# Altium PCB pcb-ash-power.PcbDoc (part 1 of 6) (continued)
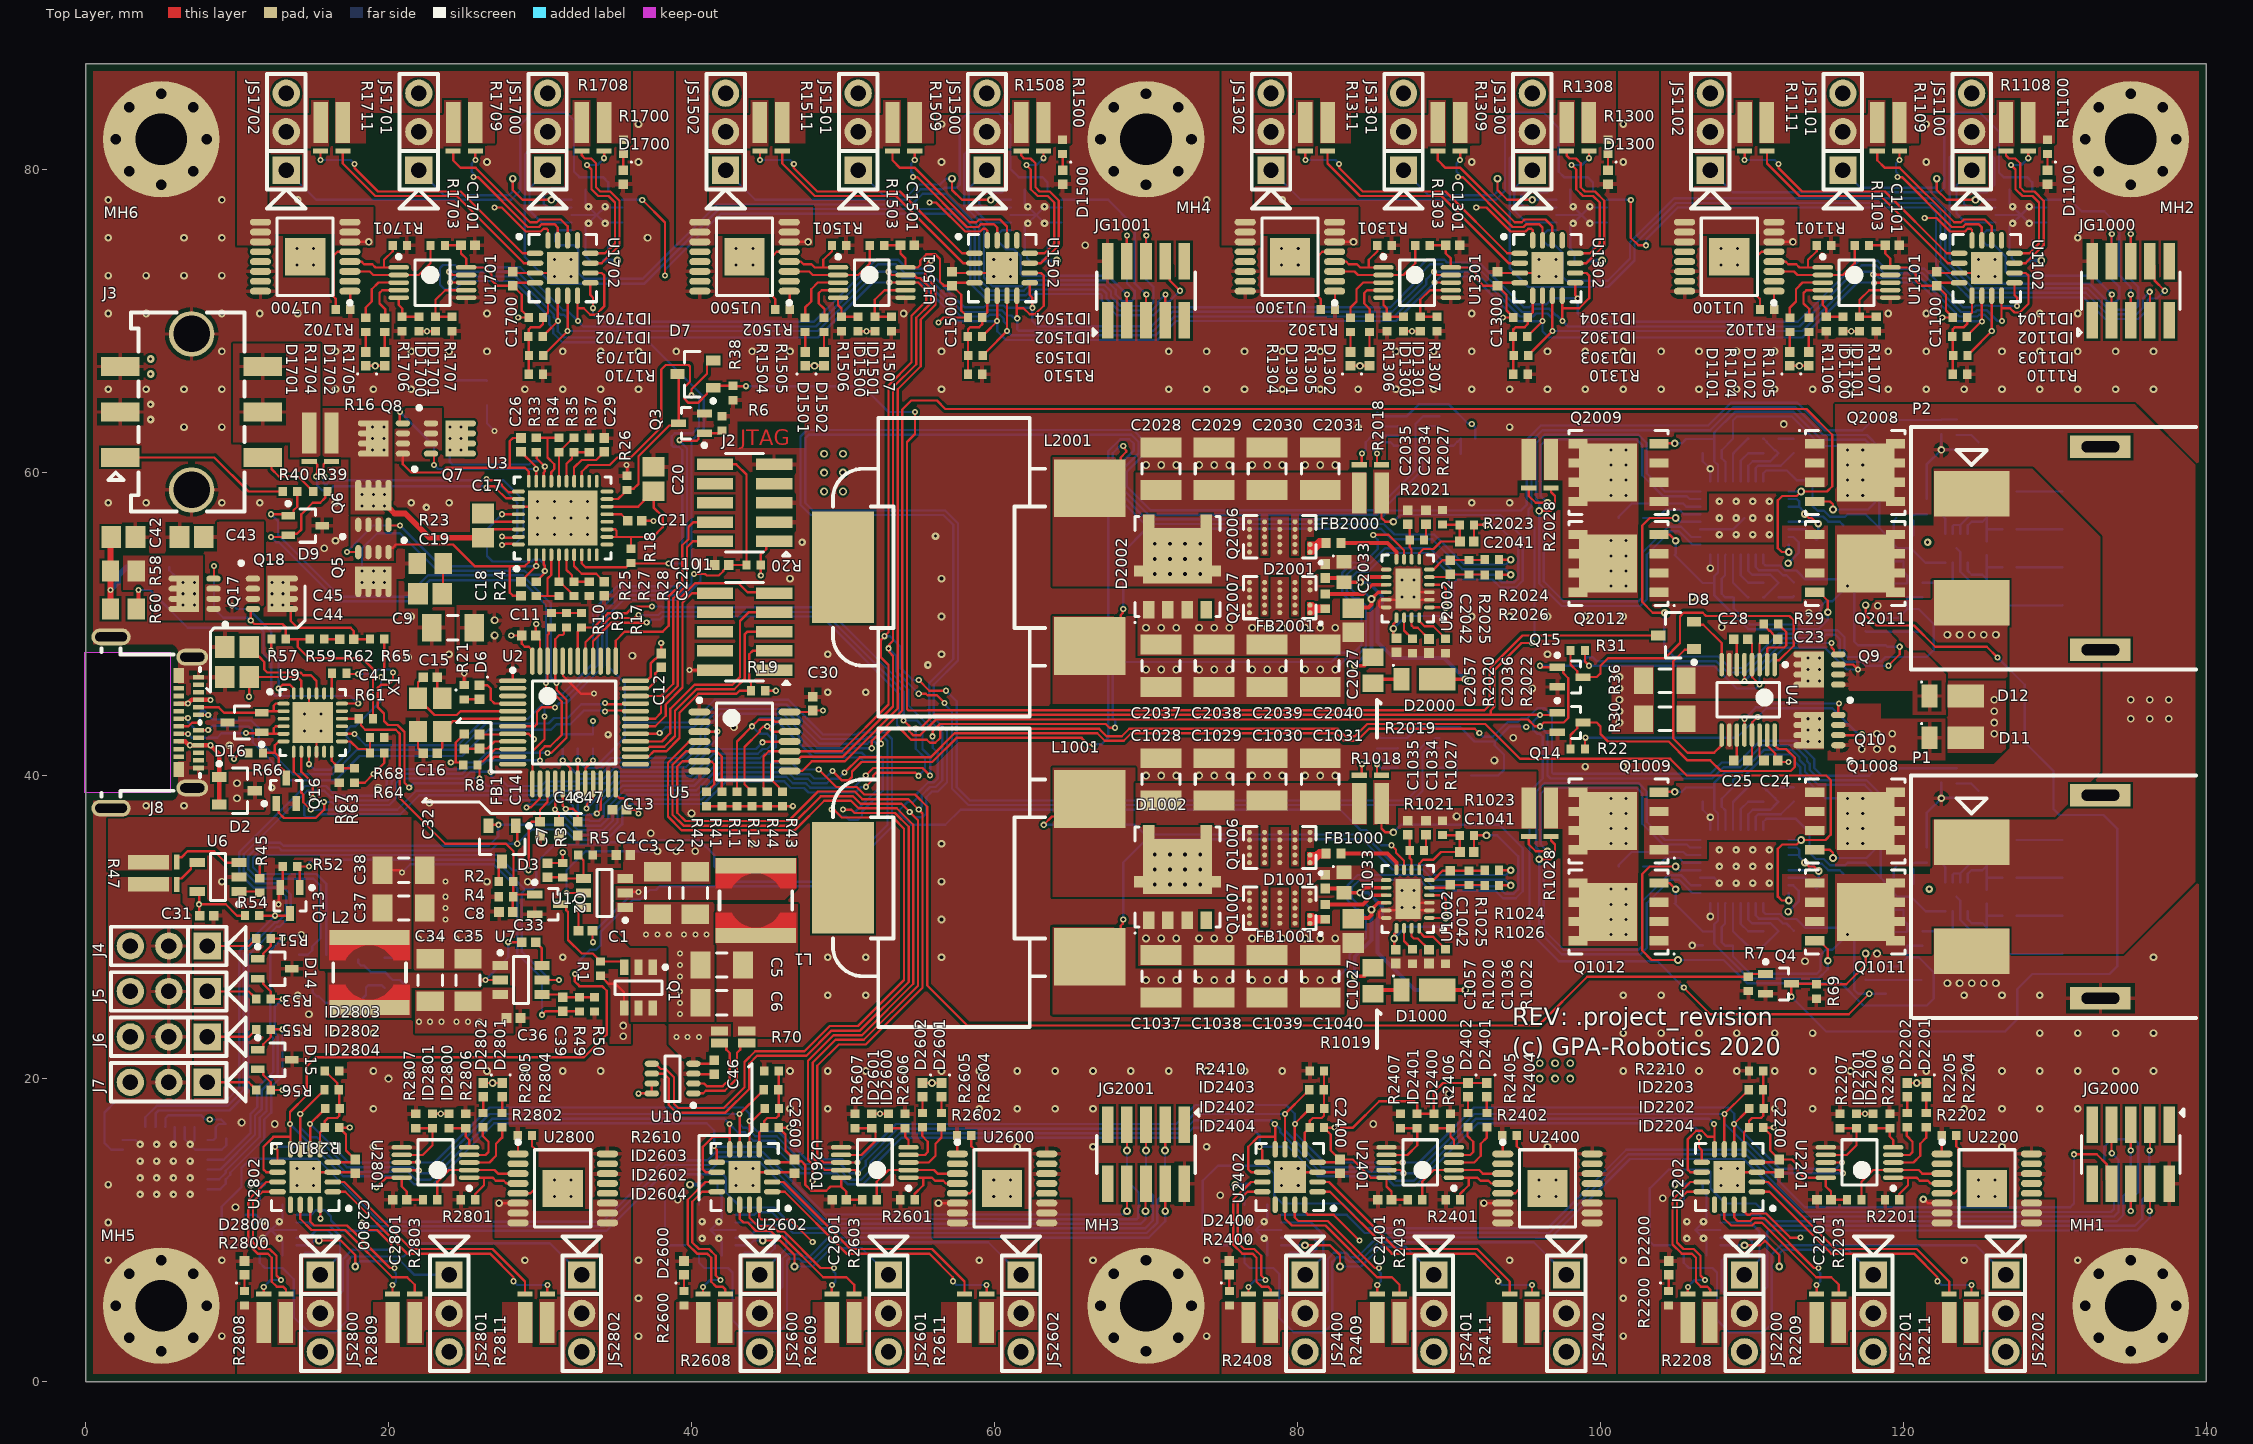
[diagram p0: Top Layer view]
## Design rules (kind name [scope] priority, off if disabled: settings) (continued)
RoomDefinition LEG32 [InComponentClass('LEG32')] p4: confinementstyle=ConfineIn formatcopy=TRUE lockcomponents=FALSE outline 38.75,0.25 65.25,0.25 65.25,23.5 38.75,23.5
RoomDefinition LEG31 [InComponentClass('LEG31')] p5: confinementstyle=ConfineIn formatcopy=TRUE lockcomponents=FALSE outline 65.25,86.75 38.75,86.75 38.75,63.5 65.25,63.5
RoomDefinition LEG22 [InComponentClass('LEG22')] p6: confinementstyle=ConfineIn formatcopy=TRUE lockcomponents=FALSE outline 74.75,0.25 101.25,0.25 101.25,23.5 74.75,23.5
RoomDefinition LEG21 [InComponentClass('LEG21')] p7: confinementstyle=ConfineIn formatcopy=TRUE lockcomponents=FALSE outline 101.25,86.75 74.75,86.75 74.75,63.5 101.25,63.5
RoomDefinition LEG12 [InComponentClass('LEG12')] p8: confinementstyle=ConfineIn formatcopy=TRUE lockcomponents=FALSE outline 103.75,0.25 130.25,0.25 130.25,23.5 103.75,23.5
RoomDefinition LEG11 [InComponentClass('LEG11')] p9: confinementstyle=ConfineIn formatcopy=TRUE lockcomponents=FALSE outline 130.25,86.75 103.75,86.75 103.75,63.5 130.25,63.5
RoomDefinition HS_L [InComponentClass('HS_L')] p10: confinementstyle=ConfineIn formatcopy=TRUE lockcomponents=FALSE outline 94,23.5 142.75,23.5 142.75,40.75 94,40.75
RoutingVias [All] p1: holewidth=0.254 width=0.508 viastyle="Through Hole" minholewidth=0.203 minwidth=0.406 maxholewidth=1 maxwidth=1.27
SilkToSilkClearance [All] p1: silktosilkclearance=0
SilkToSolderMaskClearance [IsPad] p1: minsilkscreentomaskgap=-5 clearancetoexposedcopper=TRUE
SolderMaskExpansion [All] p1: expansion=0.102 istentingtop=FALSE
Width [All] p1: maxlimit=10 minlimit=0.152 preferedwidth=0.254
25 further rules are at their usual default settings.

## Classes and differential pairs
polygon class GAN_REG: SW_REG_R_L01_P314
polygon class VEYE_REG: NETC34_2_L01_P383 NETC34_2_L04_P393 VBAT_DOR_7V4_L04_P394 VEYE_6V0_L01_P372 VEYE_6V0_R_L01_P380
polygon class VAUX_REG: NETC1_2_L01_P387 NETC2_2_L01_P391 NETC5_2_L01_P389
channel class gan_buck: REG_L REG_R
component class REG_R: C2026 C2027 C2028 C2029 C2030 C2031 C2033 C2034 C2035 C2036 C2037 C2038 C2039 C2040 C2041 C2042 C2057 D2000 D2001 D2002 FB2000 FB2001 L2001 Q2006 Q2007 R2000 R2001 R2018 R2019 R2020 R2021 R2022 R2023 R2024 R2025 R2026 R2027 U2000 U2002
component class REG_L: C1026 C1027 C1028 C1029 C1030 C1031 C1033 C1034 C1035 C1036 C1037 C1038 C1039 C1040 C1041 C1042 C1057 D1000 D1001 D1002 FB1000 FB1001 L1001 Q1006 Q1007 R1000 R1001 R1018 R1019 R1020 R1021 R1022 R1023 R1024 R1025 R1026 R1027 U1000 U1002
component class EYES: C31 C32 C33 C34 C35 C36 C37 C38 C39 C40 D11 D12 D13 D14 D15 J4 J5 J6 J7 L2 Q11 Q12 Q13 R45 R46 R47 R48 R49 R50 R51 R52 R53 R54 R55 R56 U6 U7 U8
component class cover: MH1 MH2 MH3 MH4 MH5 MH6
channel class leg_module: LEG11 LEG12 LEG21 LEG22 LEG31 LEG32 LEG41 LEG42
channel class leg_group: LEG_L LEG_R
channel class hs_switch: HS_L HS_R
component class USB: C41 C42 C43 C44 C45 D16 D17 J8 Q16 Q17 Q18 Q22 R57 R58 R59 R60 R61 R62 R63 R64 R65 R66 R67 R68 U9
component class POW: C30 C47 C48 D9 J3 P1 P2 R39 R40 R41 R42 R43 R44 R69 R71 R72 R73 R74 U5
component class LEG_R: JG2000 JG2001
component class LEG_L: JG1000 JG1001
component class LEG42: C2800 C2801 C2802 D2800 D2801 D2802 ID2800 ID2801 ID2802 ID2803 ID2804 JS2800 JS2801 JS2802 R2800 R2801 R2802 R2803 R2804 R2805 R2806 R2807 R2808 R2809 R2810 R2811 U2800 U2801 U2802 U2803
component class LEG41: C1700 C1701 C1702 D1700 D1701 D1702 ID1700 ID1701 ID1702 ID1703 ID1704 JS1700 JS1701 JS1702 R1700 R1701 R1702 R1703 R1704 R1705 R1706 R1707 R1708 R1709 R1710 R1711 U1700 U1701 U1702 U1703
component class LEG32: C2600 C2601 C2602 D2600 D2601 D2602 ID2600 ID2601 ID2602 ID2603 ID2604 JS2600 JS2601 JS2602 R2600 R2601 R2602 R2603 R2604 R2605 R2606 R2607 R2608 R2609 R2610 R2611 U2600 U2601 U2602 U2603
component class LEG31: C1500 C1501 C1502 D1500 D1501 D1502 ID1500 ID1501 ID1502 ID1503 ID1504 JS1500 JS1501 JS1502 R1500 R1501 R1502 R1503 R1504 R1505 R1506 R1507 R1508 R1509 R1510 R1511 U1500 U1501 U1502 U1503
component class LEG22: C2400 C2401 C2402 D2400 D2401 D2402 ID2400 ID2401 ID2402 ID2403 ID2404 JS2400 JS2401 JS2402 R2400 R2401 R2402 R2403 R2404 R2405 R2406 R2407 R2408 R2409 R2410 R2411 U2400 U2401 U2402 U2403
component class LEG21: C1300 C1301 C1302 D1300 D1301 D1302 ID1300 ID1301 ID1302 ID1303 ID1304 JS1300 JS1301 JS1302 R1300 R1301 R1302 R1303 R1304 R1305 R1306 R1307 R1308 R1309 R1310 R1311 U1300 U1301 U1302 U1303
component class LEG12: C2200 C2201 C2202 D2200 D2201 D2202 ID2200 ID2201 ID2202 ID2203 ID2204 JS2200 JS2201 JS2202 R2200 R2201 R2202 R2203 R2204 R2205 R2206 R2207 R2208 R2209 R2210 R2211 U2200 U2201 U2202 U2203
component class LEG11: C1100 C1101 C1102 D1100 D1101 D1102 ID1100 ID1101 ID1102 ID1103 ID1104 JS1100 JS1101 JS1102 R1100 R1101 R1102 R1103 R1104 R1105 R1106 R1107 R1108 R1109 R1110 R1111 U1100 U1101 U1102 U1103
component class HS_R: C2043 C2044 C2045 C2046 C2047 C2048 C2049 C2050 C2051 C2052 C2054 C2055 C2056 D2003 J2000 Q8_HS_R Q9_HS_R Q10_HS_R Q11_HS_R Q12_HS_R Q2008 Q2009 Q2010 Q2011 Q2012 R2028 R2029 R2030 R2031 R2032 R2033 R2034 R2035 R2036 R2037 R2038 R2039 R2040 R2041 R2042 R2045 R2046 R2047 R2048 R2050 U2003 U2004
component class HS_L: C1043 C1044 C1045 C1046 C1047 C1048 C1049 C1050 C1051 C1052 C1054 C1055 C1056 D1003 J1000 Q8_HS_L Q9_HS_L Q10_HS_L Q11_HS_L Q12_HS_L Q1008 Q1009 Q1010 Q1011 Q1012 R1028 R1029 R1030 R1031 R1032 R1033 R1034 R1035 R1036 R1037 R1038 R1039 R1040 R1041 R1042 R1045 R1046 R1047 R1048 R1050 U1003 U1004
component class EXT: C17 C18 C19 C20 C21 C22 C23 C24 C25 C26 C27 C28 C29 D7 D8 Q5 Q6 Q7 Q8 Q9 Q10 Q14 Q15 R16 R18 R22 R23 R24 R25 R26 R27 R28 R29 R30 R31 R32 R33 R34 R35 R36 R37 R38 U3 U4
component class CONTROL: C9 C10 C11 C12 C13 C14 C15 C16 D6 FB1 J1 J2 Q3 Q4 R6 R7 R8 R9 R10 R11 R12 R13 R14 R15 R17 R19 R20 R21 U2 X1
component class AUX: C1 C2 C3 C4 C5 C6 C7 C8 C46 D2 D3 L1 Q1 Q2 R1 R2 R3 R4 R5 R70 U1 U10
differential pair USB_C: +USB_C_P -USB_C_N
differential pair SENSE2: +SENSE2_P -SENSE2_N

## Components (designator, comment, footprint, x,y, rotation, side; value= is the part's Value field where it differs from the comment)
C1 "cap" CAPC1005X06N 33,29.75 r0 top value=100n
C2 "cap" CAPC3216X14N 40.25,32.25 r90 top value=22u
C3 "cap" CAPC3216X14N 37.75,32.25 r90 top value=22u
C4 "cap" CAPC1005X06N 35.5,34.75 r0 top value=100n
C5 "cap" CAPC3216X14N 42,27.5 r0 top value=10u
C6 "cap" CAPC3216X14N 42,25 r0 top value=10u
C7 "cap" CAPC1005X06N 30.5,33.75 r90 top value=DNP
C8 "cap" CAPC1005X06N 27.75,31 r0 top value=DNP
C9 "cap" CAPC3216X14N 24.25,49.75 r180 top value=10u (schematic designator C35)
C10 "cap" CAPC1005X06N 42,53.9 r0 top value=1n (schematic designator C36)
C11 "cap" CAPC1005X06N 29.25,49.25 r180 top value=100n (schematic designator C37)
C12 "cap" CAPC1005X06N 38,47.6 r90 top value=100n (schematic designator C38)
C13 "cap" CAPC1005X06N 35.25,37.75 r0 top value=100n (schematic designator C39)
C14 "cap" CAPC1005X06N 26,42.25 r270 top value=100n (schematic designator C40)
C15 "cap" CAPC1005X06N 22.75,46.481 r180 top value=100n (schematic designator C41)
C16 "cap" CAPC1005X06N 22.75,41.481 r0 top value=100n (schematic designator C42)
C17 "cap" CAPC2012X11N 26.25,56.5 r270 top value=1u (schematic designator C60)
C18 "cap" CAPC1005X06N 28.75,52.325 r270 top value=47n (schematic designator C61)
C19 "cap" CAPC2012X11N 22.75,52 r0 top value=1u (schematic designator C62)
C20 "cap" CAPC2012X11N 37.5,59.575 r270 top value=1u (schematic designator C63)
C21 "cap" CAPC1005X06N 36.25,56.825 r180 top value=1n (schematic designator C64)
C22 "cap" CAPC1005X06N 34.25,52.325 r90 top value=47n (schematic designator C65)
C23 "cap" CAPC1005X06N 111.25,49 r180 top value=100n (schematic designator C66)
C24 "cap" CAPC1005X06N 111.25,41 r180 top value=100n (schematic designator C67)
C25 "cap" CAPC1005X06N 109.25,41 r180 top value=100n (schematic designator C68)
C26 "cap" CAPC1005X06N 28.75,61.825 r90 top value=47n (schematic designator C69)
C27 "cap" CAPC2012X11N 26.5,65.25 r90 bottom value=1u (schematic designator C70)
C28 "cap" CAPC1005X06N 109.25,49 r180 top value=100n (schematic designator C71)
C29 "cap" CAPC1005X06N 34.25,61.825 r270 top value=47n (schematic designator C72)
C30 "cap" CAPC1005X06N 48,44.75 r90 top value=100n (schematic designator C59)
C31 "cap" CAPC1005X06N 8,30.75 r180 top value=100n (schematic designator C95)
C32 "cap" CAPC1005X06N 30,36.5 r90 top value=100n (schematic designator C96)
C33 "cap" CAPC1005X06N 29.25,29 r180 top value=100n (schematic designator C97)
C34 "cap" CAPC3216X14N 22.75,26.5 r270 top value=22u (schematic designator C98)
C35 "cap" CAPC3216X14N 25.25,26.5 r270 top value=22u (schematic designator C99)
C36 "cap" CAPC1005X06N 28.25,24 r180 top value=100n (schematic designator C100)
C37 "cap" CAPC3216X14N 21,31.25 r180 top value=10u (schematic designator C101)
C38 "cap" CAPC3216X14N 21,33.75 r180 top value=10u (schematic designator C102)
C39 "cap" CAPC1005X06N 31.5,24.9 r270 top value=DNP (schematic designator C103)
C40 "cap" CAPC1005X06N 9.3,16.5 r270 bottom value=100n (schematic designator C104)
C41 "cap" CAPC1005X06N 17.25,49 r0 top value=100n (schematic designator C73)
C42 "cap" CAPC2012X11N 2.5,55.75 r180 top value=1u (schematic designator C74)
C43 "cap" CAPC2012X11N 7,55.75 r0 top value=1u (schematic designator C75)
C44 "cap" CAPC2012X11N 10,46.5 r0 top value=1u (schematic designator C76)
C45 "cap" CAPC2012X11N 10,48.5 r0 top value=1u (schematic designator C77)
C46 "cap" CAPC1005X06N 41.5,20.75 r270 top value=100n (schematic designator C9)
C47 "cap" CAPC1005X06N 32.5,36.5 r90 top value=100n (schematic designator C10)
C48 "cap" CAPC1005X06N 31.25,36.5 r90 top value=100n (schematic designator C11)
C1026 "cap" CAPC1005X06N 85.25,42.25 r90 bottom value=100n (schematic designator C78)
C1027 "cap" CAPC2012X11N 83.68,29.75 r270 top value=2u2 (schematic designator C79)
C1028 "cap" CAPC3225X14N 71,39.75 r90 top value=22u (schematic designator C80)
C1029 "cap" CAPC3225X14N 74.5,39.75 r90 top value=22u (schematic designator C81)
C1030 "cap" CAPC3225X14N 78,39.75 r90 top value=22u (schematic designator C82)
C1031 "cap" CAPC3225X14N 81.5,39.75 r90 top value=22u (schematic designator C83)
C1033 "cap" CAPC1608X08N 83.08,32.938 r270 top value=100n (schematic designator C85)
C1034 "cap" CAPC1005X06N 88.48,36.55 r270 top value=100n (schematic designator C86)
C1035 "cap" CAPC1005X06N 87.28,36.55 r270 top value=100n (schematic designator C87)
C1036 "cap" CAPC1005X06N 88.68,28.05 r90 top value=100n (schematic designator C88)
C1037 "cap" CAPC3225X14N 71,26.75 r90 top value=22u (schematic designator C89)
C1038 "cap" CAPC3225X14N 74.5,26.75 r90 top value=22u (schematic designator C90)
C1039 "cap" CAPC3225X14N 78,26.75 r90 top value=22u (schematic designator C91)
C1040 "cap" CAPC3225X14N 81.5,26.75 r90 top value=22u (schematic designator C92)
C1041 "cap" CAPC1005X06N 91.18,34.95 r0 top value=100n (schematic designator C93)
C1042 "cap" CAPC1005X06N 90.08,33.25 r270 top value=100n (schematic designator C94)
C1043 "cap" CAPC1005X06N 122,34.25 r0 bottom value=100n (schematic designator C43)
C1044 "cap" CAPC1005X06N 106.75,38.75 r270 bottom value=47n (schematic designator C44)
C1045 "cap" CAPC2012X11N 125.75,39 r180 bottom value=1u (schematic designator C45)
C1046 "cap" CAPC2012X11N 123,28.5 r90 bottom value=470n (schematic designator C46)
C1047 "cap" CAPC1005X06N 125.5,34.5 r90 bottom value=100n (schematic designator C47)
C1048 "cap" CAPC1005X06N 125.5,32 r90 bottom value=100n (schematic designator C48)
C1049 "cap" CAPC1005X06N 112.75,38.75 r270 bottom value=47n (schematic designator C49)
C1050 "cap" CAPC1005X06N 125.5,29.5 r90 bottom value=100n (schematic designator C50)
C1051 "cap" CAPC2012X11N 102,34 r180 bottom value=1u (schematic designator C51)
C1052 "cap" CAPC1005X06N 106.75,29.25 r270 bottom value=47n (schematic designator C52)
C1054 "cap" CAPC2012X11N 114.25,31.75 r90 bottom value=1u (schematic designator C54)
C1055 "cap" CAPC1005X06N 116.5,33.5 r180 bottom value=1n (schematic designator C55)
C1056 "cap" CAPC1005X06N 112.75,29.29 r90 bottom value=47n (schematic designator C56)
C1057 "cap" CAPC1005X06N 86.48,28.05 r270 top value=100n (schematic designator C105)
C1100 "cap" CAPC1005X06N 122.2,72.8 r270 top value=100n (schematic designator C57)
C1101 "cap" CAPC1005X06N 119.25,75 r180 top value=100n (schematic designator C58)
C1102 "cap" CAPC1005X06N 127.75,74 r0 bottom value=100n (schematic designator C106)
C1300 "cap" CAPC1005X06N 93.2,72.8 r270 top value=100n (schematic designator C57)
C1301 "cap" CAPC1005X06N 90.25,75 r180 top value=100n (schematic designator C58)
C1302 "cap" CAPC1005X06N 98.75,74 r0 bottom value=100n (schematic designator C106)
C1500 "cap" CAPC1005X06N 57.2,72.8 r270 top value=100n (schematic designator C57)
C1501 "cap" CAPC1005X06N 54.25,75 r180 top value=100n (schematic designator C58)
C1502 "cap" CAPC1005X06N 62.75,74 r0 bottom value=100n (schematic designator C106)
C1700 "cap" CAPC1005X06N 28.2,72.8 r270 top value=100n (schematic designator C57)
C1701 "cap" CAPC1005X06N 25.25,75 r180 top value=100n (schematic designator C58)
C1702 "cap" CAPC1005X06N 33.75,74 r0 bottom value=100n (schematic designator C106)
C2026 "cap" CAPC1005X06N 85.25,63.5 r90 bottom value=100n (schematic designator C78)
C2027 "cap" CAPC2012X11N 83.68,50.25 r270 top value=2u2 (schematic designator C79)
C2028 "cap" CAPC3225X14N 71,60.25 r90 top value=22u (schematic designator C80)
C2029 "cap" CAPC3225X14N 74.5,60.25 r90 top value=22u (schematic designator C81)
C2030 "cap" CAPC3225X14N 78,60.25 r90 top value=22u (schematic designator C82)
C2031 "cap" CAPC3225X14N 81.5,60.25 r90 top value=22u (schematic designator C83)
C2033 "cap" CAPC1608X08N 83.08,53.437 r270 top value=100n (schematic designator C85)
C2034 "cap" CAPC1005X06N 88.48,57.05 r270 top value=100n (schematic designator C86)
C2035 "cap" CAPC1005X06N 87.28,57.05 r270 top value=100n (schematic designator C87)
C2036 "cap" CAPC1005X06N 88.68,48.55 r90 top value=100n (schematic designator C88)
C2037 "cap" CAPC3225X14N 71,47.25 r90 top value=22u (schematic designator C89)
C2038 "cap" CAPC3225X14N 74.5,47.25 r90 top value=22u (schematic designator C90)
C2039 "cap" CAPC3225X14N 78,47.25 r90 top value=22u (schematic designator C91)
C2040 "cap" CAPC3225X14N 81.5,47.25 r90 top value=22u (schematic designator C92)
C2041 "cap" CAPC1005X06N 91.18,55.45 r0 top value=100n (schematic designator C93)
C2042 "cap" CAPC1005X06N 90.08,53.75 r270 top value=100n (schematic designator C94)
C2043 "cap" CAPC1005X06N 122,57.25 r0 bottom value=100n (schematic designator C43)
C2044 "cap" CAPC1005X06N 106.75,61.75 r270 bottom value=47n (schematic designator C44)
C2045 "cap" CAPC2012X11N 125.75,62 r180 bottom value=1u (schematic designator C45)
C2046 "cap" CAPC2012X11N 123,51.5 r90 bottom value=470n (schematic designator C46)
C2047 "cap" CAPC1005X06N 125.5,57.5 r90 bottom value=100n (schematic designator C47)
C2048 "cap" CAPC1005X06N 125.5,55 r90 bottom value=100n (schematic designator C48)
C2049 "cap" CAPC1005X06N 112.75,61.75 r270 bottom value=47n (schematic designator C49)
C2050 "cap" CAPC1005X06N 125.5,52.5 r90 bottom value=100n (schematic designator C50)
C2051 "cap" CAPC2012X11N 102,57 r180 bottom value=1u (schematic designator C51)
C2052 "cap" CAPC1005X06N 106.75,52.25 r270 bottom value=47n (schematic designator C52)
C2054 "cap" CAPC2012X11N 114.25,54.75 r90 bottom value=1u (schematic designator C54)
C2055 "cap" CAPC1005X06N 116.5,56.5 r180 bottom value=1n (schematic designator C55)
C2056 "cap" CAPC1005X06N 112.75,52.29 r90 bottom value=47n (schematic designator C56)
C2057 "cap" CAPC1005X06N 86.53,48.6 r270 top value=100n (schematic designator C105)
C2200 "cap" CAPC1005X06N 111.8,14.2 r90 top value=100n (schematic designator C57)
C2201 "cap" CAPC1005X06N 114.75,12 r0 top value=100n (schematic designator C58)
C2202 "cap" CAPC1005X06N 106.25,13 r180 bottom value=100n (schematic designator C106)
C2400 "cap" CAPC1005X06N 82.8,14.2 r90 top value=100n (schematic designator C57)
C2401 "cap" CAPC1005X06N 85.75,12 r0 top value=100n (schematic designator C58)
C2402 "cap" CAPC1005X06N 77.25,13 r180 bottom value=100n (schematic designator C106)
C2600 "cap" CAPC1005X06N 46.8,14.2 r90 top value=100n (schematic designator C57)
C2601 "cap" CAPC1005X06N 49.75,12 r0 top value=100n (schematic designator C58)
C2602 "cap" CAPC1005X06N 41.25,13 r180 bottom value=100n (schematic designator C106)
C2800 "cap" CAPC1005X06N 17.8,14.2 r90 top value=100n (schematic designator C57)
C2801 "cap" CAPC1005X06N 20.75,12 r0 top value=100n (schematic designator C58)
C2802 "cap" CAPC1005X06N 12.25,13 r180 bottom value=100n (schematic designator C106)
D2 "BAS40-5" SOT23_CC 10,39 r0 top
D3 "BAS40-5" SOT23_CC 27.5,35.5 r270 top
D6 "led" CAPCP1005X06N 26,45.5 r270 top value=GREEN
D7 "BAS40-5" SOT23_CC 40.25,66.5 r180 top (schematic designator D12)
D8 "BAS40-5" SOT23_CC 105,49.25 r180 top (schematic designator D13)
D9 "ESDA25W" SOT65P210X110-3N_SOT323-3L 14.5,56.5 r0 top (schematic designator D14)
D11 "DFLS2100" SODFL370X100-2N_DFLS2100 123.25,42.5 r0 top (schematic designator D19)
D12 "DFLS2100" SODFL370X100-2N_DFLS2100 123.25,45.25 r0 top (schematic designator D20)
D13 "BAS40-5" SOT23_CC 15,27 r270 bottom (schematic designator D21)
D14 "ESDA25W" SOT65P210X110-3N_SOT323-3L 12.5,27.25 r0 top (schematic designator D22)
D15 "ESDA25W" SOT65P210X110-3N_SOT323-3L 12.5,21.25 r0 top (schematic designator D23)
D16 "ESDA25W" SOT65P210X110-3N_SOT323-3L 10.5,43.5 r180 top (schematic designator D15)
D17 "DFLS2100" SODFL370X100-2N_DFLS2100 4,53.75 r180 bottom (schematic designator D24)
D1000 "DFLS2100" SODFL370X100-2N_DFLS2100 88.38,25.85 r0 top (schematic designator D16)
D1001 "diode" CAPCP1005X06N 81.83,33 r270 top (schematic designator D17)
D1002 "NTS12100EMFS" SON127P620X110_HS-9N_NTS12100 72.08,33.3 r90 top (schematic designator D18)
D1003 "BAS40-5" SOT23_CC 120,26.5 r0 bottom (schematic designator D7)
D1100 "led" CAPCP1005X06N 129.5,79.5 r270 top value=GREEN (schematic designator D8)
D1101 "led" CAPCP1005X06N 112.5,67.5 r90 top value=YELLOW (schematic designator D9)
D1102 "led" CAPCP1005X06N 113.75,67.5 r90 top value=RED (schematic designator D10)
D1300 "led" CAPCP1005X06N 100.5,79.5 r270 top value=GREEN (schematic designator D8)
D1301 "led" CAPCP1005X06N 83.5,67.5 r90 top value=YELLOW (schematic designator D9)
D1302 "led" CAPCP1005X06N 84.75,67.5 r90 top value=RED (schematic designator D10)
D1500 "led" CAPCP1005X06N 64.5,79.5 r270 top value=GREEN (schematic designator D8)
D1501 "led" CAPCP1005X06N 47.5,67.5 r90 top value=YELLOW (schematic designator D9)
D1502 "led" CAPCP1005X06N 48.75,67.5 r90 top value=RED (schematic designator D10)
D1700 "led" CAPCP1005X06N 35.5,79.5 r270 top value=GREEN (schematic designator D8)
D1701 "led" CAPCP1005X06N 18.5,67.5 r90 top value=YELLOW (schematic designator D9)
D1702 "led" CAPCP1005X06N 19.75,67.5 r90 top value=RED (schematic designator D10)
D2000 "DFLS2100" SODFL370X100-2N_DFLS2100 88.38,46.35 r0 top (schematic designator D16)
D2001 "diode" CAPCP1005X06N 81.83,53.5 r270 top (schematic designator D17)
D2002 "NTS12100EMFS" SON127P620X110_HS-9N_NTS12100 72.08,53.8 r90 top (schematic designator D18)
D2003 "BAS40-5" SOT23_CC 120,49.5 r0 bottom (schematic designator D7)
D2200 "led" CAPCP1005X06N 104.5,7.5 r90 top value=GREEN (schematic designator D8)
D2201 "led" CAPCP1005X06N 121.5,19.25 r270 top value=YELLOW (schematic designator D9)
D2202 "led" CAPCP1005X06N 120.25,19.25 r270 top value=RED (schematic designator D10)
D2400 "led" CAPCP1005X06N 75.5,7.5 r90 top value=GREEN (schematic designator D8)
D2401 "led" CAPCP1005X06N 92.5,19.25 r270 top value=YELLOW (schematic designator D9)
D2402 "led" CAPCP1005X06N 91.25,19.25 r270 top value=RED (schematic designator D10)
D2600 "led" CAPCP1005X06N 39.5,7.5 r90 top value=GREEN (schematic designator D8)
D2601 "led" CAPCP1005X06N 56.5,19.25 r270 top value=YELLOW (schematic designator D9)
D2602 "led" CAPCP1005X06N 55.25,19.25 r270 top value=RED (schematic designator D10)
D2800 "led" CAPCP1005X06N 10.5,7.5 r90 top value=GREEN (schematic designator D8)
D2801 "led" CAPCP1005X06N 27.5,19.25 r270 top value=YELLOW (schematic designator D9)
D2802 "led" CAPCP1005X06N 26.25,19.25 r270 top value=RED (schematic designator D10)
FB1 "ferrite" INDC1005X06N 25,42.25 r270 top value=100R
FB1000 "ferrite" INDC1005X06N 82.38,34.85 r180 top value=100R (schematic designator FB2)
FB1001 "ferrite" INDC1005X06N 81.83,31 r270 top value=100R (schematic designator FB3)
FB2000 "ferrite" INDC1005X06N 82.38,55.35 r180 top value=100R (schematic designator FB2)
FB2001 "ferrite" INDC1005X06N 81.83,51.5 r270 top value=100R (schematic designator FB3)
ID1100 "res" RESC1005X04N 116,69.8 r270 top value=0R (schematic designator ID1)
ID1101 "res" RESC1005X04N 117.1,69.8 r270 top value=0R (schematic designator ID2)
ID1102 "res" RESC1005X04N 123.7,68.99 r0 top value=0R (schematic designator ID3)
ID1103 "res" RESC1005X04N 123.75,67.74 r0 top value=0R (schematic designator ID4)
ID1104 "res" RESC1005X04N 123.725,70.24 r180 top value=0R (schematic designator ID5)
ID1300 "res" RESC1005X04N 87,69.8 r270 top value=0R (schematic designator ID1)
ID1301 "res" RESC1005X04N 88.1,69.8 r270 top value=0R (schematic designator ID2)
ID1302 "res" RESC1005X04N 94.7,68.99 r0 top value=0R (schematic designator ID3)
ID1303 "res" RESC1005X04N 94.75,67.74 r0 top value=0R (schematic designator ID4)
ID1304 "res" RESC1005X04N 94.725,70.24 r180 top value=0R (schematic designator ID5)
ID1500 "res" RESC1005X04N 51,69.8 r270 top value=0R (schematic designator ID1)
ID1501 "res" RESC1005X04N 52.1,69.8 r270 top value=0R (schematic designator ID2)
ID1502 "res" RESC1005X04N 58.7,68.99 r0 top value=0R (schematic designator ID3)
ID1503 "res" RESC1005X04N 58.75,67.74 r0 top value=0R (schematic designator ID4)
ID1504 "res" RESC1005X04N 58.725,70.24 r180 top value=0R (schematic designator ID5)
ID1700 "res" RESC1005X04N 22,69.8 r270 top value=0R (schematic designator ID1)
ID1701 "res" RESC1005X04N 23.1,69.8 r270 top value=0R (schematic designator ID2)
ID1702 "res" RESC1005X04N 29.7,68.99 r0 top value=0R (schematic designator ID3)
ID1703 "res" RESC1005X04N 29.75,67.74 r0 top value=0R (schematic designator ID4)
ID1704 "res" RESC1005X04N 29.725,70.24 r180 top value=0R (schematic designator ID5)
ID2200 "res" RESC1005X04N 118,17.2 r90 top value=0R (schematic designator ID1)
ID2201 "res" RESC1005X04N 116.9,17.2 r90 top value=0R (schematic designator ID2)
ID2202 "res" RESC1005X04N 110.3,18.01 r180 top value=0R (schematic designator ID3)
ID2203 "res" RESC1005X04N 110.25,19.26 r180 top value=0R (schematic designator ID4)
ID2204 "res" RESC1005X04N 110.275,16.76 r0 top value=0R (schematic designator ID5)
ID2400 "res" RESC1005X04N 89,17.2 r90 top value=0R (schematic designator ID1)
ID2401 "res" RESC1005X04N 87.9,17.2 r90 top value=0R (schematic designator ID2)
ID2402 "res" RESC1005X04N 81.3,18.01 r180 top value=0R (schematic designator ID3)
ID2403 "res" RESC1005X04N 81.25,19.26 r180 top value=0R (schematic designator ID4)
ID2404 "res" RESC1005X04N 81.275,16.76 r0 top value=0R (schematic designator ID5)
ID2600 "res" RESC1005X04N 53,17.2 r90 top value=0R (schematic designator ID1)
ID2601 "res" RESC1005X04N 51.9,17.2 r90 top value=0R (schematic designator ID2)
ID2602 "res" RESC1005X04N 45.3,18.01 r180 top value=0R (schematic designator ID3)
ID2603 "res" RESC1005X04N 45.25,19.26 r180 top value=0R (schematic designator ID4)
ID2604 "res" RESC1005X04N 45.275,16.76 r0 top value=0R (schematic designator ID5)
ID2800 "res" RESC1005X04N 24,17.2 r90 top value=0R (schematic designator ID1)
ID2801 "res" RESC1005X04N 22.9,17.2 r90 top value=0R (schematic designator ID2)
ID2802 "res" RESC1005X04N 16.3,18.01 r180 top value=0R (schematic designator ID3)
ID2803 "res" RESC1005X04N 16.25,19.26 r180 top value=0R (schematic designator ID4)
ID2804 "res" RESC1005X04N 16.275,16.76 r0 top value=0R (schematic designator ID5)
J1 "2x5" hdr_2x5_50mil 43.5,49.5 r90 top
J2 "SWD" hdr_2x5_50mil 43.5,58 r90 top
J3 "430450617" 430450617 7,64 r270 top (schematic designator J4)
J4 "Header 1x3" HEADER_1x3_100MIL 8.04,28.75 r180 top (schematic designator J6)
J5 "Header 1x3" HEADER_1x3_100MIL 8.04,25.75 r180 top (schematic designator J7)
J6 "Header 1x3" HEADER_1x3_100MIL 8.04,22.75 r180 top (schematic designator J8)
J7 "Header 1x3" HEADER_1x3_100MIL 8.04,19.75 r180 top (schematic designator J9)
J8 "1054550101" 1054550101 7.05,43.5 r270 top (schematic designator J5)
J1000 "S4B-XH-SM4-TB" S4B-XH-SM4-TB 130.5,32 r270 bottom (schematic designator J3)
J2000 "S4B-XH-SM4-TB" S4B-XH-SM4-TB 130.5,55 r270 bottom (schematic designator J3)
JG1000 "2x5" hdr_2x5_50mil 135,72 r0 top (schematic designator JG1)
JG1001 "2x5" hdr_2x5_50mil 70,72 r0 top (schematic designator JG2)
JG2000 "2x5" hdr_2x5_50mil 135,15 r180 top (schematic designator JG1)
JG2001 "2x5" hdr_2x5_50mil 70,15 r180 top (schematic designator JG2)
JS1100 "Header 1x3" HEADER_1x3_100MIL 124.5,79.96 r90 top (schematic designator JS1)
JS1101 "Header 1x3" HEADER_1x3_100MIL 116,79.96 r90 top (schematic designator JS2)
JS1102 "Header 1x3" HEADER_1x3_100MIL 107.25,79.96 r90 top (schematic designator JS3)
JS1300 "Header 1x3" HEADER_1x3_100MIL 95.5,79.96 r90 top (schematic designator JS1)
JS1301 "Header 1x3" HEADER_1x3_100MIL 87,79.96 r90 top (schematic designator JS2)
JS1302 "Header 1x3" HEADER_1x3_100MIL 78.25,79.96 r90 top (schematic designator JS3)
JS1500 "Header 1x3" HEADER_1x3_100MIL 59.5,79.96 r90 top (schematic designator JS1)
JS1501 "Header 1x3" HEADER_1x3_100MIL 51,79.96 r90 top (schematic designator JS2)
JS1502 "Header 1x3" HEADER_1x3_100MIL 42.25,79.96 r90 top (schematic designator JS3)
JS1700 "Header 1x3" HEADER_1x3_100MIL 30.5,79.96 r90 top (schematic designator JS1)
JS1701 "Header 1x3" HEADER_1x3_100MIL 22,79.96 r90 top (schematic designator JS2)
JS1702 "Header 1x3" HEADER_1x3_100MIL 13.25,79.96 r90 top (schematic designator JS3)
JS2200 "Header 1x3" HEADER_1x3_100MIL 109.5,7.04 r270 top (schematic designator JS1)
JS2201 "Header 1x3" HEADER_1x3_100MIL 118,7.04 r270 top (schematic designator JS2)
JS2202 "Header 1x3" HEADER_1x3_100MIL 126.75,7.04 r270 top (schematic designator JS3)
JS2400 "Header 1x3" HEADER_1x3_100MIL 80.5,7.04 r270 top (schematic designator JS1)
JS2401 "Header 1x3" HEADER_1x3_100MIL 89,7.04 r270 top (schematic designator JS2)
JS2402 "Header 1x3" HEADER_1x3_100MIL 97.75,7.04 r270 top (schematic designator JS3)
JS2600 "Header 1x3" HEADER_1x3_100MIL 44.5,7.04 r270 top (schematic designator JS1)
JS2601 "Header 1x3" HEADER_1x3_100MIL 53,7.04 r270 top (schematic designator JS2)
JS2602 "Header 1x3" HEADER_1x3_100MIL 61.75,7.04 r270 top (schematic designator JS3)
JS2800 "Header 1x3" HEADER_1x3_100MIL 15.5,7.04 r270 top (schematic designator JS1)
JS2801 "Header 1x3" HEADER_1x3_100MIL 24,7.04 r270 top (schematic designator JS2)
JS2802 "Header 1x3" HEADER_1x3_100MIL 32.75,7.04 r270 top (schematic designator JS3)
L1 "SRR4028" SRR4028 44.25,31.75 r270 top value=3m3
L2 "SRR4028" SRR4028 18.75,27 r90 top value=3m3 (schematic designator L4)
L1001 "SER2009-102ML" SER20xx 57.33,33.25 r90 top value=1u (schematic designator L3)
L2001 "SER2009-102ML" SER20xx 57.33,53.75 r90 top value=1u (schematic designator L3)
MH1 "M3" mount_m3_normal 135,5 r0 top
MH2 "M3" mount_m3_normal 135,82 r0 top
MH3 "M3" mount_m3_normal 70,5 r0 top
MH4 "M3" mount_m3_normal 70,82 r0 top
MH5 "M3" mount_m3_normal 5,5 r0 top locked
MH6 "M3" mount_m3_normal 5,82 r0 top
P1 "XT60PT-M" XT60PT-M 133,32 r90 top (schematic designator P2)
P2 "XT60PT-M" XT60PT-M 133,55 r90 top (schematic designator P3)
Q1 "Si3493DDV" SOT95P284X110-6N_TSOP6 36.5,26 r270 top
Q2 "RU1J002YN" SOTFL65P210X105-3N 30.5,31.5 r0 top
Q3 "RU1J002YN" SOTFL65P210X105-3N 40,63.25 r180 top (schematic designator Q9)
Q4 "RU1J002YN" SOTFL65P210X105-3N 111.75,26.25 r0 top (schematic designator Q10)
Q5 "IRFH3702" PQFN67P300X300X100-8N 19,53.5 r270 top (schematic designator Q16)
Q6 "IRFH3702" PQFN67P300X300X100-8N 19,57.8 r90 top (schematic designator Q17)
Q7 "IRFH3702" PQFN67P300X300X100-8N 24.05,62.25 r0 top (schematic designator Q18)
Q8 "IRFH3702" PQFN67P300X300X100-8N 19.7,62.25 r180 top (schematic designator Q19)
Q9 "IRFH3702" PQFN67P300X300X100-8N 114.45,43 r180 top (schematic designator Q20)
Q10 "IRFH3702" PQFN67P300X300X100-8N 114.45,47 r180 top (schematic designator Q21)
Q11 "Si3493DDV" SOT95P284X110-6N_TSOP6 22.25,26.5 r90 bottom (schematic designator Q27)
Q12 "RU1J002YN" SOTFL65P210X105-3N 18,27 r90 bottom (schematic designator Q28)
Q13 "RU1J002YN" SOTFL65P210X105-3N 13.5,31.75 r270 top (schematic designator Q29)
Q14 "RU1J002YN" SOTFL65P210X105-3N 98,43.5 r0 top (schematic designator Q3)
Q15 "RU1J002YN" SOTFL65P210X105-3N 98,46.5 r0 top (schematic designator Q4)
Q16 "RU1J002YN" SOTFL65P210X105-3N 13.25,39 r90 top (schematic designator Q24)
Q17 "IRFHM9331" PQFN67P300X300X100-8N 7.2,52 r180 top (schematic designator Q5)
Q18 "IRFHM9331" PQFN67P300X300X100-8N 12.3,52 r0 top (schematic designator Q6)
Q1006 "EPC2030" epc2030_die 78.83,35.25 r180 top (schematic designator Q25)
Q1007 "EPC2030" epc2030_die 78.83,31.25 r180 top (schematic designator Q26)
Q1008 "SiR158DP" SON127P620X112_HS-9N_POWERPAK_SO8 116.81,37 r0 top (schematic designator Q11)
Q1009 "SiR158DP" SON127P620X112_HS-9N_POWERPAK_SO8 101.19,37 r180 top (schematic designator Q12)
Q1010 "RU1J002YN" SOTFL65P210X105-3N 120,32 r270 bottom (schematic designator Q13)
Q1011 "SiR158DP" SON127P620X112_HS-9N_POWERPAK_SO8 116.81,31 r0 top (schematic designator Q14)
Q1012 "SiR158DP" SON127P620X112_HS-9N_POWERPAK_SO8 101.19,31 r180 top (schematic designator Q15)
Q2006 "EPC2030" epc2030_die 78.83,55.75 r180 top (schematic designator Q25)
Q2007 "EPC2030" epc2030_die 78.83,51.75 r180 top (schematic designator Q26)
Q2008 "SiR158DP" SON127P620X112_HS-9N_POWERPAK_SO8 116.81,60 r0 top (schematic designator Q11)
Q2009 "SiR158DP" SON127P620X112_HS-9N_POWERPAK_SO8 101.19,60 r180 top (schematic designator Q12)
Q2010 "RU1J002YN" SOTFL65P210X105-3N 120,55 r270 bottom (schematic designator Q13)
Q2011 "SiR158DP" SON127P620X112_HS-9N_POWERPAK_SO8 116.81,54 r0 top (schematic designator Q14)
Q2012 "SiR158DP" SON127P620X112_HS-9N_POWERPAK_SO8 101.19,54 r180 top (schematic designator Q15)
R1 "res" RESC1005X04N 34,27.25 r270 top value=470K
R2 "res" RESC1005X04N 27.75,33 r0 top value=10K
R3 "res" RESC1005X04N 31.5,33.75 r90 top value=33K
R4 "res" RESC1005X04N 27.75,32 r0 top value=100K
R5 "res" RESC1005X04N 33,34.75 r180 top value=10K
R6 "res" RESC1005X04N 42,63.25 r270 top value=1M (schematic designator R23)
R7 "res" RESC1005X04N 109.75,26.25 r90 top value=1M (schematic designator R24)
R8 "res" RESC1005X04N 25.4,40.7 r180 top value=10K (schematic designator R25)
R9 "res" RESC1005X04N 31.75,50.25 r90 top value=10K (schematic designator R26)
R10 "res" RESC1005X04N 30.75,50.25 r90 top value=10K (schematic designator R27)
R11 "res" RESC1005X04N 43,38.45 r270 top value=10K (schematic designator R28)
R12 "res" RESC1005X04N 44,38.45 r270 top value=10K (schematic designator R29)
R13 "res" RESC1005X04N 31.5,42.25 r90 bottom value=10K (schematic designator R30)
R14 "res" RESC1005X04N 32.5,42.25 r90 bottom value=10K (schematic designator R31)
R15 "res" RESC1005X04N 33.5,42.25 r90 bottom value=10K (schematic designator R32)
R16 "res_4t" 4T_RESC1632X05N 15.5,62.25 r180 top value=1m5 (schematic designator R6)
R17 "res" RESC1005X04N 32.75,50.25 r90 top value=10K (schematic designator R34)
R18 "res" RESC1005X04N 36,54.5 r90 top value=1M (schematic designator R7)
R19 "res" RESC1005X04N 44.4,45.6 r0 top value=10K (schematic designator R36)
R20 "res" RESC1005X04N 44.1,53.9 r180 top value=10K (schematic designator R37)
R21 "res" RESC1005X04N 25,45.5 r270 top value=10K (schematic designator R38)
R22 "res" RESC1005X04N 98.5,41.75 r0 top value=1M (schematic designator R8)
R23 "res" RESC2012X06N 22.75,54 r180 top value=1R21 (schematic designator R79)
R24 "res" RESC1005X04N 29.75,52.325 r90 top value=920K (schematic designator R80)
R25 "res" RESC1005X04N 31.25,52.325 r270 top value=5K49 (schematic designator R81)
R26 "res" RESC1005X04N 35.75,59.325 r270 top value=1M (schematic designator R82)
R27 "res" RESC1005X04N 32.25,52.325 r270 top value=31K6 (schematic designator R83)
R28 "res" RESC1005X04N 33.25,52.325 r90 top value=39K7 (schematic designator R84)
R29 "res" RESC1005X04N 111.25,50 r0 top value=10K (schematic designator R85)
R30 "res" RESC3216X07N 104.25,43.75 r180 top value=2m (schematic designator R86)
R31 "res" RESC1005X04N 98.5,48.25 r0 top value=1M (schematic designator R9)
R32 "res" RESC2012X06N 24.5,65.25 r270 bottom value=1R21 (schematic designator R88)
R33 "res" RESC1005X04N 29.75,61.825 r270 top value=920K (schematic designator R89)
R34 "res" RESC1005X04N 31.25,61.825 r90 top value=5K49 (schematic designator R90)
R35 "res" RESC1005X04N 32.25,61.825 r90 top value=31K6 (schematic designator R91)
R36 "res" RESC3216X07N 104.25,46.25 r180 top value=2m (schematic designator R92)
R37 "res" RESC1005X04N 33.25,61.825 r270 top value=39K7 (schematic designator R93)
R38 "res" RESC1005X04N 42.75,65.25 r90 top value=1M (schematic designator R94)
R39 "res" RESC1005X04N 15.5,58.75 r0 top value=220R (schematic designator R130)
R40 "res" RESC1005X04N 13.5,58.75 r0 top value=220R (schematic designator R131)
R41 "res" RESC1005X04N 42,38.45 r270 top value=10K (schematic designator R74)
R42 "res" RESC1005X04N 41,38.45 r270 top value=10K (schematic designator R75)
R43 "res" RESC1005X04N 46,38.45 r270 top value=10K (schematic designator R76)
R44 "res" RESC1005X04N 45,38.45 r270 top value=10K (schematic designator R77)
R45 "res" RESC1005X04N 11.5,32.75 r90 top value=10K (schematic designator R118)
R46 "res" RESC1005X04N 19.75,27.5 r90 bottom value=470K (schematic designator R119)
R47 "res_4t" 4T_RESC1632X05N 4.5,33.55 r270 top value=0R01 (schematic designator R120)
R48 "res" RESC1005X04N 19.75,25.5 r90 bottom value=10K (schematic designator R121)
R49 "res" RESC1005X04N 32.6,24.9 r270 top value=33K (schematic designator R122)
R50 "res" RESC1005X04N 33.6,24.9 r90 top value=10K (schematic designator R123)
R51 "res" RESC1005X04N 11.75,29.25 r180 top value=100R (schematic designator R125)
R52 "res" RESC1005X04N 13.5,34 r0 top value=10K (schematic designator R124)
R53 "res" RESC1005X04N 11.75,25.25 r180 top value=100R (schematic designator R126)
R54 "res" RESC1005X04N 11,30.75 r180 top value=10K (schematic designator R127)
R55 "res" RESC1005X04N 11.75,23.25 r180 top value=100R (schematic designator R128)
R56 "res" RESC1005X04N 11.75,19.25 r180 top value=100R (schematic designator R129)
R57 "res" RESC1005X04N 12.75,49 r180 top value=10K (schematic designator R95)
R58 "res" RESC2012X06N 2.5,53.5 r0 top value=10K (schematic designator R96)
R59 "res" RESC1005X04N 15.275,49 r0 top value=10K (schematic designator R97)
R60 "res" RESC2012X06N 2.5,51 r180 top value=10K (schematic designator R98)
R61 "res" RESC1005X04N 18.5,43.75 r0 top value=10K (schematic designator R99)
R62 "res" RESC1005X04N 19.25,49 r180 top value=10K (schematic designator R100)
R63 "res" RESC1005X04N 17.75,40 r90 top value=100K (schematic designator R101)
R64 "res" RESC1005X04N 19.25,41.5 r180 top value=100K (schematic designator R102)
R65 "res" RESC1005X04N 16.75,46.75 r0 top value=0R (schematic designator R103)
R66 "res" RESC1005X04N 11.238,41.5 r180 top value=100K (schematic designator R104)
R67 "res" RESC1005X04N 16.75,40 r90 top value=0R (schematic designator R105)
R68 "res" RESC1005X04N 19.25,42.5 r180 top value=0R (schematic designator R106)
R69 "res" RESC1005X04N 114.25,25.75 r90 top value=1M (schematic designator R54)
R70 "res_4t" RESC2012X06N_4T 42.75,22.75 r0 top value=0R01 (schematic designator R12)
R71 "res" RESC1005X04N 122.5,63 r90 bottom value=190K (schematic designator R13)
R72 "res" RESC1005X04N 124,63.5 r180 bottom value=10K (schematic designator R14)
R73 "res" RESC1005X04N 122.5,40 r90 bottom value=190K (schematic designator R15)
R74 "res" RESC1005X04N 124,40.5 r180 bottom value=10K (schematic designator R16)
R1000 "res" RESC1005X04N 91,40 r0 bottom value=0R (schematic designator R10)
R1001 "res" RESC1005X04N 91,41 r180 bottom value=100K (schematic designator R11)
R1018 "res_4t" 4T_RESC1632X05N 84.815,38.5 r0 top value=0R01 (schematic designator R108)
R1019 "res" RESC2012X06N 84.98,26.45 r270 top value=10R (schematic designator R109)
R1020 "res" RESC1005X04N 87.58,28.05 r270 top value=0R (schematic designator R110)
R1021 "res" RESC1005X04N 87.88,35.05 r180 top value=10K (schematic designator R111)
R1022 "res" RESC1005X04N 89.78,28.05 r90 top value=10K (schematic designator R112)
R1023 "res" RESC1005X04N 91.18,36.05 r0 top value=10K (schematic designator R113)
R1024 "res" RESC1005X04N 92.83,33.75 r0 top value=1K2 (schematic designator R114)
R1025 "res" RESC1005X04N 91.33,33.25 r90 top value=12K (schematic designator R115)
R1026 "res" RESC1005X04N 92.83,32.75 r0 top value=0R (schematic designator R116)
R1027 "res" RESC1005X04N 89.58,36.55 r270 top value=10K (schematic designator R117)
R1028 "res_4t" 4T_RESC1632X05N 96,37.5 r180 top value=1m5 (schematic designator R39)
R1029 "res" RESC1005X04N 122,35.25 r180 bottom value=100R (schematic designator R40)
R1030 "res" RESC1005X04N 123.5,39 r270 bottom value=1R21 (schematic designator R41)
R1031 "res" RESC1005X04N 108.75,38.75 r90 bottom value=920K (schematic designator R42)
R1032 "res" RESC1005X04N 109.75,38.75 r90 bottom value=5K49 (schematic designator R43)
R1033 "res" RESC1005X04N 127,35.75 r180 bottom value=1K (schematic designator R44)
R1034 "res" RESC1005X04N 110.75,38.75 r270 bottom value=31K6 (schematic designator R45)
R1035 "res" RESC1005X04N 127,33.25 r180 bottom value=1K (schematic designator R46)
R1036 "res" RESC1005X04N 121.25,29.25 r90 bottom value=0R (schematic designator R47)
R1037 "res" RESC1005X04N 111.75,38.75 r270 bottom value=39K7 (schematic designator R48)
R1038 "res" RESC1005X04N 127,30.75 r180 bottom value=1K (schematic designator R49)
R1039 "res" RESC1005X04N 120.25,29.25 r270 bottom value=100K (schematic designator R50)
R1040 "res" RESC1005X04N 120,34 r180 bottom value=1M (schematic designator R51)
R1041 "res" RESC1005X04N 119.3,29.2 r90 bottom value=1M (schematic designator R52)
R1042 "res" RESC1005X04N 125.5,27.75 r270 bottom value=10R (schematic designator R53)
R1045 "res" RESC1005X04N 108.75,29.25 r270 bottom value=920K (schematic designator R56)
R1046 "res" RESC1005X04N 109.75,29.25 r270 bottom value=5K49 (schematic designator R57)
R1047 "res" RESC1005X04N 117.5,27 r270 bottom value=10K (schematic designator R58)
R1048 "res" RESC1005X04N 110.75,29.25 r90 bottom value=31K6 (schematic designator R59)
R1050 "res" RESC1005X04N 111.75,29.25 r90 bottom value=39K7 (schematic designator R61)
R1100 "res" RESC1005X04N 129.5,81.5 r270 top value=10K (schematic designator R62)
R1101 "res" RESC1005X04N 114.75,75 r180 top value=10K (schematic designator R63)
R1102 "res" RESC1005X04N 111,70.75 r180 top value=10K (schematic designator R64)
R1103 "res" RESC1005X04N 117.25,75 r180 top value=10K (schematic designator R65)
R1104 "res" RESC1005X04N 112.5,69.75 r90 top value=10K (schematic designator R66)
R1105 "res" RESC1005X04N 113.75,69.75 r90 top value=10K (schematic designator R67)
R1106 "res" RESC1005X04N 114.9,69.8 r90 top value=100K (schematic designator R68)
R1107 "res" RESC1005X04N 118.2,69.8 r90 top value=100K (schematic designator R69)
R1108 "res_4t" 4T_RESC1632X05N 127.5,82.75 r180 top value=0R01 (schematic designator R70)
R1109 "res_4t" 4T_RESC1632X05N 119,82.75 r180 top value=0R01 (schematic designator R71)
R1110 "res" RESC1005X04N 123.725,66.49 r180 top value=100K (schematic designator R72)
R1111 "res_4t" 4T_RESC1632X05N 110.25,82.75 r180 top value=0R01 (schematic designator R73)
R1300 "res" RESC1005X04N 100.5,81.5 r270 top value=10K (schematic designator R62)
R1301 "res" RESC1005X04N 85.75,75 r180 top value=10K (schematic designator R63)
R1302 "res" RESC1005X04N 82,70.75 r180 top value=10K (schematic designator R64)
R1303 "res" RESC1005X04N 88.25,75 r180 top value=10K (schematic designator R65)
R1304 "res" RESC1005X04N 83.5,69.75 r90 top value=10K (schematic designator R66)
R1305 "res" RESC1005X04N 84.75,69.75 r90 top value=10K (schematic designator R67)
R1306 "res" RESC1005X04N 85.9,69.8 r90 top value=100K (schematic designator R68)
R1307 "res" RESC1005X04N 89.2,69.8 r90 top value=100K (schematic designator R69)
R1308 "res_4t" 4T_RESC1632X05N 98.5,82.75 r180 top value=0R01 (schematic designator R70)
R1309 "res_4t" 4T_RESC1632X05N 90,82.75 r180 top value=0R01 (schematic designator R71)
R1310 "res" RESC1005X04N 94.725,66.49 r180 top value=100K (schematic designator R72)
R1311 "res_4t" 4T_RESC1632X05N 81.25,82.75 r180 top value=0R01 (schematic designator R73)
R1500 "res" RESC1005X04N 64.5,81.5 r270 top value=10K (schematic designator R62)
R1501 "res" RESC1005X04N 49.75,75 r180 top value=10K (schematic designator R63)
R1502 "res" RESC1005X04N 46,70.75 r180 top value=10K (schematic designator R64)
R1503 "res" RESC1005X04N 52.25,75 r180 top value=10K (schematic designator R65)
R1504 "res" RESC1005X04N 47.5,69.75 r90 top value=10K (schematic designator R66)
R1505 "res" RESC1005X04N 48.75,69.75 r90 top value=10K (schematic designator R67)
R1506 "res" RESC1005X04N 49.9,69.8 r90 top value=100K (schematic designator R68)
R1507 "res" RESC1005X04N 53.2,69.8 r90 top value=100K (schematic designator R69)
R1508 "res_4t" 4T_RESC1632X05N 62.5,82.75 r180 top value=0R01 (schematic designator R70)
R1509 "res_4t" 4T_RESC1632X05N 54,82.75 r180 top value=0R01 (schematic designator R71)
R1510 "res" RESC1005X04N 58.725,66.49 r180 top value=100K (schematic designator R72)
R1511 "res_4t" 4T_RESC1632X05N 45.25,82.75 r180 top value=0R01 (schematic designator R73)
R1700 "res" RESC1005X04N 35.5,81.5 r270 top value=10K (schematic designator R62)
R1701 "res" RESC1005X04N 20.75,75 r180 top value=10K (schematic designator R63)
R1702 "res" RESC1005X04N 17,70.75 r180 top value=10K (schematic designator R64)
R1703 "res" RESC1005X04N 23.25,75 r180 top value=10K (schematic designator R65)
R1704 "res" RESC1005X04N 18.5,69.75 r90 top value=10K (schematic designator R66)
R1705 "res" RESC1005X04N 19.75,69.75 r90 top value=10K (schematic designator R67)
R1706 "res" RESC1005X04N 20.9,69.8 r90 top value=100K (schematic designator R68)
R1707 "res" RESC1005X04N 24.2,69.8 r90 top value=100K (schematic designator R69)
R1708 "res_4t" 4T_RESC1632X05N 33.5,82.75 r180 top value=0R01 (schematic designator R70)